# Allegro board 8880F5-0824_updates.brd (continued)
## Nets (continued)
CSDPS225GS1: CSDPS225.D2
CSDPS225GS2: CSDPS225.A1
CSDPS225GS3: CSDPS225.D4
CSDPS225GS4: CSDPS225.A3
CSDPS225GS5: CSDPS225.D6
CSDPS225GS6: CSDPS225.A5
CSDPS225GS7: CSDPS225.D8
CSDPS225GS8: CSDPS225.A7
CSDPS225GS9: CSDPS225.D10
CSDPS225GS10: CSDPS225.A9
CSDPS225GS11: CSDPS225.D12
CSDPS225GS12: CSDPS225.A11
CSDPS225GS13: CSDPS225.D14
CSDPS225GS14: CSDPS225.A13
CSDPS225GS15: CSDPS225.D16
CSDPS225GS16: CSDPS225.A15
CSDPS225P1: CSDPS225.B1
CSDPS225P2: CSDPS225.C2
CSDPS225P3: CSDPS225.B3
CSDPS225P4: CSDPS225.C4
CSDPS225P5: CSDPS225.B5
CSDPS225P6: CSDPS225.C6
CSDPS225P7: CSDPS225.B7
CSDPS225P8: CSDPS225.C8
CSDPS225P9: CSDPS225.B9
CSDPS225P10: CSDPS225.C10
CSDPS225P11: CSDPS225.B11
CSDPS225P12: CSDPS225.C12
CSDPS225P13: CSDPS225.B13
CSDPS225P14: CSDPS225.C14
CSDPS225P15: CSDPS225.B15
CSDPS225P16: CSDPS225.C16
CSDPS225PS1: CSDPS225.D1
CSDPS225PS2: CSDPS225.A2
CSDPS225PS3: CSDPS225.D3
CSDPS225PS4: CSDPS225.A4
CSDPS225PS5: CSDPS225.D5
CSDPS225PS6: CSDPS225.A6
CSDPS225PS7: CSDPS225.D7
CSDPS225PS8: CSDPS225.A8
CSDPS225PS9: CSDPS225.D9
CSDPS225PS10: CSDPS225.A10
CSDPS225PS11: CSDPS225.D11
CSDPS225PS12: CSDPS225.A12
CSDPS225PS13: CSDPS225.D13
CSDPS225PS14: CSDPS225.A14
CSDPS225PS15: CSDPS225.D15
CSDPS225PS16: CSDPS225.A16
CSDPS229GS1: CSDPS229.D2
CSDPS229GS2: CSDPS229.A1
CSDPS229GS3: CSDPS229.D4
CSDPS229GS4: CSDPS229.A3
CSDPS229GS5: CSDPS229.D6
CSDPS229GS6: CSDPS229.A5
CSDPS229GS7: CSDPS229.D8
CSDPS229GS8: CSDPS229.A7
CSDPS229GS9: CSDPS229.D10
CSDPS229GS10: CSDPS229.A9
CSDPS229GS11: CSDPS229.D12
CSDPS229GS12: CSDPS229.A11
CSDPS229GS13: CSDPS229.D14
CSDPS229GS14: CSDPS229.A13
CSDPS229GS15: CSDPS229.D16
CSDPS229GS16: CSDPS229.A15
CSDPS229P1: CSDPS229.B1
CSDPS229P2: CSDPS229.C2
CSDPS229P3: CSDPS229.B3
CSDPS229P4: CSDPS229.C4
CSDPS229P5: CSDPS229.B5
CSDPS229P6: CSDPS229.C6
CSDPS229P7: CSDPS229.B7
CSDPS229P8: CSDPS229.C8
CSDPS229P9: CSDPS229.B9
CSDPS229P10: CSDPS229.C10
CSDPS229P11: CSDPS229.B11
CSDPS229P12: CSDPS229.C12
CSDPS229P13: CSDPS229.B13
CSDPS229P14: CSDPS229.C14
CSDPS229P15: CSDPS229.B15
CSDPS229P16: CSDPS229.C16
CSDPS229PS1: CSDPS229.D1
CSDPS229PS2: CSDPS229.A2
CSDPS229PS3: CSDPS229.D3
CSDPS229PS4: CSDPS229.A4
CSDPS229PS5: CSDPS229.D5
CSDPS229PS6: CSDPS229.A6
CSDPS229PS7: CSDPS229.D7
CSDPS229PS8: CSDPS229.A8
CSDPS229PS9: CSDPS229.D9
CSDPS229PS10: CSDPS229.A10
CSDPS229PS11: CSDPS229.D11
CSDPS229PS12: CSDPS229.A12
CSDPS229PS13: CSDPS229.D13
CSDPS229PS14: CSDPS229.A14
CSDPS229PS15: CSDPS229.D15
CSDPS229PS16: CSDPS229.A16
CSDPS425GS1: CSDPS425.D2
CSDPS425GS2: CSDPS425.A1
CSDPS425GS3: CSDPS425.D4
CSDPS425GS4: CSDPS425.A3
CSDPS425GS5: CSDPS425.D6
CSDPS425GS6: CSDPS425.A5
CSDPS425GS7: CSDPS425.D8
CSDPS425GS8: CSDPS425.A7
CSDPS425GS9: CSDPS425.D10
CSDPS425GS10: CSDPS425.A9
CSDPS425GS11: CSDPS425.D12
CSDPS425GS12: CSDPS425.A11
CSDPS425GS13: CSDPS425.D14
CSDPS425GS14: CSDPS425.A13
CSDPS425GS15: CSDPS425.D16
CSDPS425GS16: CSDPS425.A15
CSDPS425P1: CSDPS425.B1
CSDPS425P2: CSDPS425.C2
CSDPS425P3: CSDPS425.B3
CSDPS425P4: CSDPS425.C4
CSDPS425P5: CSDPS425.B5
CSDPS425P6: CSDPS425.C6
CSDPS425P7: CSDPS425.B7
CSDPS425P8: CSDPS425.C8
CSDPS425P9: CSDPS425.B9
CSDPS425P10: CSDPS425.C10
CSDPS425P11: CSDPS425.B11
CSDPS425P12: CSDPS425.C12
CSDPS425P13: CSDPS425.B13
CSDPS425P14: CSDPS425.C14
CSDPS425P15: CSDPS425.B15
CSDPS425P16: CSDPS425.C16
CSDPS425PS1: CSDPS425.D1
CSDPS425PS2: CSDPS425.A2
CSDPS425PS3: CSDPS425.D3
CSDPS425PS4: CSDPS425.A4
CSDPS425PS5: CSDPS425.D5
CSDPS425PS6: CSDPS425.A6
CSDPS425PS7: CSDPS425.D7
CSDPS425PS8: CSDPS425.A8
CSDPS425PS9: CSDPS425.D9
CSDPS425PS10: CSDPS425.A10
CSDPS425PS11: CSDPS425.D11
CSDPS425PS12: CSDPS425.A12
CSDPS425PS13: CSDPS425.D13
CSDPS425PS14: CSDPS425.A14
CSDPS425PS15: CSDPS425.D15
CSDPS425PS16: CSDPS425.A16
CSDPS429GS1: CSDPS429.D2
CSDPS429GS2: CSDPS429.A1
CSDPS429GS3: CSDPS429.D4
CSDPS429GS4: CSDPS429.A3
CSDPS429GS5: CSDPS429.D6
CSDPS429GS6: CSDPS429.A5
CSDPS429GS7: CSDPS429.D8
CSDPS429GS8: CSDPS429.A7
CSDPS429GS9: CSDPS429.D10
CSDPS429GS10: CSDPS429.A9
CSDPS429GS11: CSDPS429.D12
CSDPS429GS12: CSDPS429.A11
CSDPS429GS13: CSDPS429.D14
CSDPS429GS14: CSDPS429.A13
CSDPS429GS15: CSDPS429.D16
CSDPS429GS16: CSDPS429.A15
CSDPS429P1: CSDPS429.B1
CSDPS429P2: CSDPS429.C2
CSDPS429P3: CSDPS429.B3
CSDPS429P4: CSDPS429.C4
CSDPS429P5: CSDPS429.B5
CSDPS429P6: CSDPS429.C6
CSDPS429P7: CSDPS429.B7
CSDPS429P8: CSDPS429.C8
CSDPS429P9: CSDPS429.B9
CSDPS429P10: CSDPS429.C10
CSDPS429P11: CSDPS429.B11
CSDPS429P12: CSDPS429.C12
CSDPS429P13: CSDPS429.B13
CSDPS429P14: CSDPS429.C14
CSDPS429P15: CSDPS429.B15
CSDPS429P16: CSDPS429.C16
CSDPS429PS1: CSDPS429.D1
CSDPS429PS2: CSDPS429.A2
CSDPS429PS3: CSDPS429.D3
CSDPS429PS4: CSDPS429.A4
CSDPS429PS5: CSDPS429.D5
CSDPS429PS6: CSDPS429.A6
CSDPS429PS7: CSDPS429.D7
CSDPS429PS8: CSDPS429.A8
CSDPS429PS9: CSDPS429.D9
CSDPS429PS10: CSDPS429.A10
CSDPS429PS11: CSDPS429.D11
CSDPS429PS12: CSDPS429.A12
CSDPS429PS13: CSDPS429.D13
CSDPS429PS14: CSDPS429.A14
CSDPS429PS15: CSDPS429.D15
CSDPS429PS16: CSDPS429.A16
D231_MCB1_CT2: D231.17
D231_MCB1_E+: D231.16
D231_MCB1_E-: D231.15
D231_MCB1_EE+: D231.08
D231_MCB1_EE-: D231.07
D231_MCB1_F+: D231.14
D231_MCB1_F-: D231.13
D231_MCB1_FF+: D231.06
D231_MCB1_FF-: D231.05
D231_MCB1_G+: D231.12
D231_MCB1_G-: D231.11
D231_MCB1_GG+: D231.04
D231_MCB1_GG-: D231.03
D231_MCB1_H+: D231.10
D231_MCB1_H-: D231.09
D231_MCB1_HH+: D231.02
D231_MCB1_HH-: D231.01
D431_MCB1_A+: D431.16
D431_MCB1_A-: D431.15
D431_MCB1_AA+: D431.08
D431_MCB1_AA-: D431.07
D431_MCB1_B+: D431.14
D431_MCB1_B-: D431.13
D431_MCB1_BB+: D431.06
D431_MCB1_BB-: D431.05
D431_MCB1_C+: D431.12
D431_MCB1_C-: D431.11
D431_MCB1_CC+: D431.04
D431_MCB1_CC-: D431.03
D431_MCB1_CT1: D431.17
D431_MCB1_D+: D431.10
D431_MCB1_D-: D431.09
D431_MCB1_DD+: D431.02
D431_MCB1_DD-: D431.01
D10201: D102.01
D10202: D102.02 SITE4.142(DML5P) UNK4R100.1
D10203: D102.03
D10204: D102.04 SITE4.143(DML5N) UNK4R101.2
D10205: D102.05
D10206: D102.06 SITE4.140(DML4P) UNK4R63.1
D10207: D102.07
D10208: D102.08 SITE4.141(DML4N) UNK4R64.2
D10209: D102.09
D10210: D102.10 SITE4.85(AML4P) UNK4R17.1
D10211: D102.11
D10212: D102.12 SITE4.86(AML4N) UNK4R18.2
D10213: D102.13 SITE4.116(CML2P) UNK4R39.1
D10214: D102.14 SITE4.83(AML3P) UNK4R15.1
D10215: D102.15 SITE4.117(CML2N) UNK4R40.2
D10216: D102.16 SITE4.84(AML3N) UNK4R16.2
D10301: D103.01 SITE4.95(BMLCKP) UNK4R27.1
D10302: D103.02
D10303: D103.03 SITE4.96(BMLCKN) UNK4R28.2
D10304: D103.04
D10305: D103.05 SITE4.98(BML3P) UNK4R29.1
D10306: D103.06
D10307: D103.07 SITE4.99(BML3N) UNK4R30.2
D10308: D103.08
D10309: D103.09 SITE4.133(DML2P) UNK4R77.1
D10310: D103.10 SITE4.120(CMLCKP) UNK4R41.1
D10311: D103.11 SITE4.134(DML2N) UNK4R78.2
D10312: D103.12 SITE4.121(CMLCKN) UNK4R42.2
D10313: D103.13 SITE4.131(DML1P) UNK4R75.1
D10314: D103.14 SITE4.122(CML3P) UNK4R67.1
D10315: D103.15 SITE4.132(DML1N) UNK4R76.2
D10316: D103.16 SITE4.123(CML3N) UNK4R68.2
D10401: D104.01
D10402: D104.02
D10403: D104.03
D10404: D104.04
D10405: D104.05
D10406: D104.06
D10407: D104.07
D10408: D104.08
D10409: D104.09 SITE4.172(OLV2P) UNK4R105.2
D10410: D104.10 SITE4.12(ELVCKP) UNK4R54.2
D10411: D104.11 SITE4.171(OLV2N) UNK4R104.1
D10412: D104.12 SITE4.11(ELVCKN) UNK4R53.1
D10413: D104.13 SITE4.8(ELV1P) UNK4R46.2
D10414: D104.14 SITE4.10(ELV2P) UNK4R52.2
D10415: D104.15 SITE4.7(ELV1N) UNK4R45.1
D10416: D104.16 SITE4.9(ELV2N) UNK4R51.1
D10601: D106.01 SITE4.81(AMLCKP) UNK4R13.1
D10602: D106.02 SITE4.137(DML3P) UNK4R43.1
D10603: D106.03 SITE4.82(AMLCKN) UNK4R14.2
D10604: D106.04 SITE4.138(DML3N) UNK4R44.2
D10605: D106.05 SITE4.114(CML1P) UNK4R37.1
D10606: D106.06 SITE4.135(DMLCKP) UNK4R79.1
D10607: D106.07 SITE4.115(CML1N) UNK4R38.2
D10608: D106.08 SITE4.136(DMLCKN) UNK4R80.2
D10609: D106.09 SITE4.126(CML5P) UNK4R71.1
D10610: D106.10 SITE4.129(DML0P) UNK4R73.1
D10611: D106.11 SITE4.127(CML5N) UNK4R72.2
D10612: D106.12 SITE4.130(DML0N) UNK4R74.2
D10613: D106.13 SITE4.87(AML5P) UNK4R19.1
D10614: D106.14 SITE4.93(BML2P) UNK4R25.1
D10615: D106.15 SITE4.88(AML5N) UNK4R20.2
D10616: D106.16 SITE4.94(BML2N) UNK4R26.2
D10701: D107.01 SITE4.89(BML0P) UNK4R21.1
D10702: D107.02 SITE4.124(CML4P) UNK4R69.1
D10703: D107.03 SITE4.90(BML0N) UNK4R22.2
D10704: D107.04 SITE4.125(CML4N) UNK4R70.2
D10705: D107.05 SITE4.100(BML4P) UNK4R31.1
D10706: D107.06 SITE4.79(AML2P) UNK4R11.1
D10707: D107.07 SITE4.101(BML4N) UNK4R32.2
D10708: D107.08 SITE4.80(AML2N) UNK4R12.2
D10709: D107.09 SITE4.102(BML5P) UNK4R33.1
D10710: D107.10 SITE4.75(AML1P) UNK4R9.1
D10711: D107.11 SITE4.103(BML5N) UNK4R34.2
D10712: D107.12 SITE4.76(AML1N) UNK4R10.2
D10713: D107.13 SITE4.91(BML1P) UNK4R23.1
D10714: D107.14 UNK4K43.6 UNK4R7.1
D10715: D107.15 SITE4.92(BML1N) UNK4R24.2
D10716: D107.16 UNK4K43.3 UNK4R8.2
D10801: D108.01 SITE4.5(ELV0N) UNK4R102.1
D10802: D108.02 SITE4.16(ELV4P) UNK4R50.2
D10803: D108.03 SITE4.6(ELV0P) UNK4R103.2
D10804: D108.04 SITE4.15(ELV4N) UNK4R49.1
D10805: D108.05 SITE4.175(OLV3N) UNK4R65.1
D10806: D108.06 SITE4.170(OLV1P) UNK4R58.2
D10807: D108.07 SITE4.176(OLV3P) UNK4R66.2
D10808: D108.08 SITE4.169(OLV1N) UNK4R57.1
D10809: D108.09 SITE4.2(OLV4P) UNK4R60.2
D10810: D108.10 SITE4.168(OLV0P) UNK4R56.2
D10811: D108.11 SITE4.1(OLV4N) UNK4R59.1
D10812: D108.12 SITE4.167(OLV0N) UNK4R55.1
D10813: D108.13 SITE4.174(OLVCKP) UNK4R62.2
D10814: D108.14 SITE4.14(ELV3P) UNK4R48.2
D10815: D108.15 SITE4.173(OLVCKN) UNK4R61.1
D10816: D108.16 SITE4.13(ELV3N) UNK4R47.1
D10901: D109.01 SITE2.176(OLV3P) UNK2R66.2
D10902: D109.02 SITE2.168(OLV0P) UNK2R56.2
D10903: D109.03 SITE2.175(OLV3N) UNK2R65.1
D10904: D109.04 SITE2.167(OLV0N) UNK2R55.1
D10905: D109.05 SITE2.174(OLVCKP) UNK2R62.2
D10906: D109.06 SITE2.170(OLV1P) UNK2R58.2
D10907: D109.07 SITE2.173(OLVCKN) UNK2R61.1
D10908: D109.08 SITE2.169(OLV1N) UNK2R57.1
D10909: D109.09 SITE2.14(ELV3P) UNK2R48.2
D10910: D109.10 SITE2.2(OLV4P) UNK2R60.2
D10911: D109.11 SITE2.13(ELV3N) UNK2R47.1
D10912: D109.12 SITE2.1(OLV4N) UNK2R59.1
D10913: D109.13 SITE2.10(ELV2P) UNK2R52.2
D10914: D109.14 SITE2.12(ELVCKP) UNK2R54.2
D10915: D109.15 SITE2.9(ELV2N) UNK2R51.1
D10916: D109.16 SITE2.11(ELVCKN) UNK2R53.1
D11001: D110.01 SITE2.85(AML4P) UNK2R17.1
D11002: D110.02 SITE2.93(BML2P) UNK2R25.1
D11003: D110.03 SITE2.86(AML4N) UNK2R18.2
D11004: D110.04 SITE2.94(BML2N) UNK2R26.2
D11005: D110.05 SITE2.83(AML3P) UNK2R15.1
D11006: D110.06 SITE2.91(BML1P) UNK2R23.1
D11007: D110.07 SITE2.84(AML3N) UNK2R16.2
D11008: D110.08 SITE2.92(BML1N) UNK2R24.2
D11009: D110.09 SITE2.98(BML3P) UNK2R29.1
D11010: D110.10 SITE2.95(BMLCKP) UNK2R27.1
D11011: D110.11 SITE2.99(BML3N) UNK2R30.2
D11012: D110.12 SITE2.96(BMLCKN) UNK2R28.2
D11013: D110.13 SITE2.133(DML2P) UNK2R77.1
D11014: D110.14 SITE2.131(DML1P) UNK2R75.1
D11015: D110.15 SITE2.134(DML2N) UNK2R78.2
D11016: D110.16 SITE2.132(DML1N) UNK2R76.2
D11101: D111.01 SITE2.75(AML1P) UNK2R9.1
D11102: D111.02 UNK2K43.6 UNK2R7.1
D11103: D111.03 SITE2.76(AML1N) UNK2R10.2
D11104: D111.04 UNK2K43.3 UNK2R8.2
D11105: D111.05 SITE2.79(AML2P) UNK2R11.1
D11106: D111.06 SITE2.116(CML2P) UNK2R39.1
D11107: D111.07 SITE2.80(AML2N) UNK2R12.2
D11108: D111.08 SITE2.117(CML2N) UNK2R40.2
D11109: D111.09 SITE2.100(BML4P) UNK2R31.1
D11110: D111.10
D11111: D111.11 SITE2.101(BML4N) UNK2R32.2
D11112: D111.12
D11113: D111.13 SITE2.102(BML5P) UNK2R33.1
D11114: D111.14
D11115: D111.15 SITE2.103(BML5N) UNK2R34.2
D11116: D111.16
D11201: D112.01 SITE2.140(DML4P) UNK2R63.1
D11202: D112.02 SITE2.120(CMLCKP) UNK2R41.1
D11203: D112.03 SITE2.141(DML4N) UNK2R64.2
D11204: D112.04 SITE2.121(CMLCKN) UNK2R42.2
D11205: D112.05 SITE2.142(DML5P) UNK2R100.1
D11206: D112.06 SITE2.81(AMLCKP) UNK2R13.1
D11207: D112.07 SITE2.143(DML5N) UNK2R101.2
D11208: D112.08 SITE2.82(AMLCKN) UNK2R14.2
D11209: D112.09 SITE2.122(CML3P) UNK2R67.1
D11210: D112.10 SITE2.114(CML1P) UNK2R37.1
D11211: D112.11 SITE2.123(CML3N) UNK2R68.2
D11212: D112.12 SITE2.115(CML1N) UNK2R38.2
D11213: D112.13 SITE2.135(DMLCKP) UNK2R79.1
D11214: D112.14 SITE2.137(DML3P) UNK2R43.1
D11215: D112.15 SITE2.136(DMLCKN) UNK2R80.2
D11216: D112.16 SITE2.138(DML3N) UNK2R44.2
D11301: D113.01 SITE2.172(OLV2P) UNK2R105.2
D11302: D113.02 SITE2.8(ELV1P) UNK2R46.2
D11303: D113.03 SITE2.171(OLV2N) UNK2R104.1
D11304: D113.04 SITE2.7(ELV1N) UNK2R45.1
D11305: D113.05 SITE2.16(ELV4P) UNK2R50.2
D11306: D113.06 SITE2.6(ELV0P) UNK2R103.2
D11307: D113.07 SITE2.15(ELV4N) UNK2R49.1
D11308: D113.08 SITE2.5(ELV0N) UNK2R102.1
D11309: D113.09
D11310: D113.10
D11311: D113.11
D11312: D113.12
D11313: D113.13
D11314: D113.14
D11315: D113.15
D11316: D113.16
D11401: D114.01
D11402: D114.02 SITE2.87(AML5P) UNK2R19.1
D11403: D114.03 SITE2.129(DML0P) UNK2R73.1
D11404: D114.04 SITE2.88(AML5N) UNK2R20.2
D11405: D114.05 SITE2.130(DML0N) UNK2R74.2
D11406: D114.06 SITE2.124(CML4P) UNK2R69.1
D11407: D114.07 SITE2.126(CML5P) UNK2R71.1
D11408: D114.08 SITE2.125(CML4N) UNK2R70.2
D11409: D114.09 SITE2.127(CML5N) UNK2R72.2
D11410: D114.10
D11411: D114.11 SITE2.89(BML0P) UNK2R21.1
D11412: D114.12
D11413: D114.13 SITE2.90(BML0N) UNK2R22.2
D11414: D114.14
D11415: D114.15
D11416: D114.16
D11501: D115.01
D11502: D115.02
D11503: D115.03
D11504: D115.04
D11505: D115.05
D11506: D115.06
D11507: D115.07
D11508: D115.08
D11509: D115.09
D11510: D115.10
D11511: D115.11
D11512: D115.12
D11513: D115.13
D11514: D115.14
D11515: D115.15
D11516: D115.16
D11601: D116.01
D11602: D116.02
D11603: D116.03
D11604: D116.04
D11605: D116.05
D11606: D116.06
D11607: D116.07
D11608: D116.08
D11609: D116.09
D11610: D116.10
D11611: D116.11
D11612: D116.12
D11613: D116.13
D11614: D116.14
D11615: D116.15
D11616: D116.16
D11801: D118.01
D11802: D118.02
D11803: D118.03
D11804: D118.04
D11805: D118.05
D11806: D118.06
D11807: D118.07
D11808: D118.08
D11809: D118.09
D11810: D118.10
D11811: D118.11
D11812: D118.12
D11813: D118.13
D11814: D118.14
D11815: D118.15
D11816: D118.16
D11901: D119.01 SITE3.116(CML2P) UNK3R39.1
D11902: D119.02 SITE3.126(CML5P) UNK3R71.1
D11903: D119.03 SITE3.117(CML2N) UNK3R40.2
D11904: D119.04 SITE3.127(CML5N) UNK3R72.2
D11905: D119.05 SITE3.120(CMLCKP) UNK3R41.1
D11906: D119.06 SITE3.114(CML1P) UNK3R37.1
D11907: D119.07 SITE3.121(CMLCKN) UNK3R42.2
D11908: D119.08 SITE3.115(CML1N) UNK3R38.2
D11909: D119.09 SITE3.81(AMLCKP) UNK3R13.1
D11910: D119.10 SITE3.87(AML5P) UNK3R19.1
D11911: D119.11 SITE3.82(AMLCKN) UNK3R14.2
D11912: D119.12 SITE3.88(AML5N) UNK3R20.2
D11913: D119.13 SITE3.122(CML3P) UNK3R67.1
D11914: D119.14 SITE3.125(CML4N) UNK3R70.2
D11915: D119.15 SITE3.123(CML3N) UNK3R68.2
D11916: D119.16 SITE3.124(CML4P) UNK3R69.1
D12001: D120.01 SITE3.89(BML0P) UNK3R21.1
D12002: D120.02 SITE3.137(DML3P) UNK3R43.1
D12003: D120.03 SITE3.90(BML0N) UNK3R22.2
D12004: D120.04 SITE3.138(DML3N) UNK3R44.2
D12005: D120.05 SITE3.129(DML0P) UNK3R73.1
D12006: D120.06 SITE3.142(DML5P) UNK3R100.1
D12007: D120.07 SITE3.130(DML0N) UNK3R74.2
D12008: D120.08 SITE3.143(DML5N) UNK3R101.2
D12009: D120.09 SITE3.140(DML4P) UNK3R63.1
D12010: D120.10 SITE3.93(BML2P) UNK3R25.1
D12011: D120.11 SITE3.141(DML4N) UNK3R64.2
D12012: D120.12 SITE3.94(BML2N) UNK3R26.2
D12013: D120.13 SITE3.135(DMLCKP) UNK3R79.1
D12014: D120.14 SITE3.102(BML5P) UNK3R33.1
D12015: D120.15 SITE3.136(DMLCKN) UNK3R80.2
D12016: D120.16 SITE3.103(BML5N) UNK3R34.2
D12201: D122.01
D12202: D122.02
D12203: D122.03
D12204: D122.04
D12205: D122.05
D12206: D122.06
D12207: D122.07
D12208: D122.08
D12209: D122.09
D12210: D122.10
D12211: D122.11
D12212: D122.12
D12213: D122.13
D12214: D122.14
D12215: D122.15
D12216: D122.16
D12301: D123.01 SITE3.95(BMLCKP) UNK3R27.1
D12302: D123.02 SITE3.131(DML1P) UNK3R75.1
D12303: D123.03 SITE3.96(BMLCKN) UNK3R28.2
D12304: D123.04 SITE3.132(DML1N) UNK3R76.2
D12305: D123.05 SITE3.85(AML4P) UNK3R17.1
D12306: D123.06 SITE3.83(AML3P) UNK3R15.1
D12307: D123.07 SITE3.86(AML4N) UNK3R18.2
D12308: D123.08 SITE3.84(AML3N) UNK3R16.2
D12309: D123.09 SITE3.79(AML2P) UNK3R11.1
D12310: D123.10
D12311: D123.11 SITE3.80(AML2N) UNK3R12.2
D12312: D123.12
D12313: D123.13 UNK3K43.6 UNK3R7.1
D12314: D123.14 SITE3.75(AML1P) UNK3R9.1
D12315: D123.15 UNK3K43.3 UNK3R8.2
D12316: D123.16 SITE3.76(AML1N) UNK3R10.2
D12401: D124.01 SITE3.100(BML4P) UNK3R31.1
D12402: D124.02 SITE3.133(DML2P) UNK3R77.1
D12403: D124.03 SITE3.101(BML4N) UNK3R32.2
D12404: D124.04 SITE3.134(DML2N) UNK3R78.2
D12405: D124.05 SITE3.91(BML1P) UNK3R23.1
D12406: D124.06 SITE3.98(BML3P) UNK3R29.1
D12407: D124.07 SITE3.92(BML1N) UNK3R24.2
D12408: D124.08 SITE3.99(BML3N) UNK3R30.2
D12409: D124.09
D12410: D124.10
D12411: D124.11
D12412: D124.12
D12413: D124.13
D12414: D124.14
D12415: D124.15
D12416: D124.16
D12501: D125.01 R58.2 SITE1.170(OLV1P)
D12502: D125.02 R103.2 SITE1.6(ELV0P)
D12503: D125.03 R57.1 SITE1.169(OLV1N)
D12504: D125.04 R102.1 SITE1.5(ELV0N)
D12505: D125.05 R56.2 SITE1.168(OLV0P)
D12506: D125.06 R46.2 SITE1.8(ELV1P)
D12507: D125.07 R55.1 SITE1.167(OLV0N)
D12508: D125.08 R45.1 SITE1.7(ELV1N)
D12509: D125.09 R60.2 SITE1.2(OLV4P)
D12510: D125.10 R62.2 SITE1.174(OLVCKP)
D12511: D125.11 R59.1 SITE1.1(OLV4N)
D12512: D125.12 R61.1 SITE1.173(OLVCKN)
D12513: D125.13 R105.2 SITE1.172(OLV2P)
D12514: D125.14 R66.2 SITE1.176(OLV3P)
D12515: D125.15 R104.1 SITE1.171(OLV2N)
D12516: D125.16 R65.1 SITE1.175(OLV3N)
D12601: D126.01
D12602: D126.02
D12603: D126.03
D12604: D126.04
D12605: D126.05
D12606: D126.06
D12607: D126.07
D12608: D126.08
D12609: D126.09 R50.2 SITE1.16(ELV4P)
D12610: D126.10 R48.2 SITE1.14(ELV3P)
D12611: D126.11 R49.1 SITE1.15(ELV4N)
D12612: D126.12 R47.1 SITE1.13(ELV3N)
D12613: D126.13 R52.2 SITE1.10(ELV2P)
D12614: D126.14 R54.2 SITE1.12(ELVCKP)
D12615: D126.15 R51.1 SITE1.9(ELV2N)
D12616: D126.16 R53.1 SITE1.11(ELVCKN)
D12701: D127.01 R33.1 SITE1.102(BML5P)
D12702: D127.02 R21.1 SITE1.89(BML0P)
D12703: D127.03 R34.2 SITE1.103(BML5N)
D12704: D127.04 R22.2 SITE1.90(BML0N)
D12705: D127.05 R29.1 SITE1.98(BML3P)
D12706: D127.06 R17.1 SITE1.85(AML4P)
D12707: D127.07 R30.2 SITE1.99(BML3N)
D12708: D127.08 R18.2 SITE1.86(AML4N)
D12709: D127.09 R15.1 SITE1.83(AML3P)
D12710: D127.10 R41.1 SITE1.120(CMLCKP)
D12711: D127.11 R16.2 SITE1.84(AML3N)
D12712: D127.12 R42.2 SITE1.121(CMLCKN)
D12713: D127.13 R19.1 SITE1.87(AML5P)
D12714: D127.14 R75.1 SITE1.131(DML1P)
D12715: D127.15 R20.2 SITE1.88(AML5N)
D12716: D127.16 R76.2 SITE1.132(DML1N)
D12801: D128.01 R31.1 SITE1.100(BML4P)
D12802: D128.02 R69.1 SITE1.124(CML4P)
D12803: D128.03 R32.2 SITE1.101(BML4N)
D12804: D128.04 R70.2 SITE1.125(CML4N)
D12805: D128.05 R27.1 SITE1.95(BMLCKP)
D12806: D128.06 R71.1 SITE1.126(CML5P)
D12807: D128.07 R28.2 SITE1.96(BMLCKN)
D12808: D128.08 R72.2 SITE1.127(CML5N)
D12809: D128.09 R23.1 SITE1.91(BML1P)
D12810: D128.10 R77.1 SITE1.133(DML2P)
D12811: D128.11 R24.2 SITE1.92(BML1N)
D12812: D128.12 R78.2 SITE1.134(DML2N)
D12813: D128.13 R25.1 SITE1.93(BML2P)
D12814: D128.14 R67.1 SITE1.122(CML3P)
D12815: D128.15 R26.2 SITE1.94(BML2N)
D12816: D128.16 R68.2 SITE1.123(CML3N)
D12901: D129.01 SITE3.175(OLV3N) UNK3R65.1
D12902: D129.02 SITE3.170(OLV1P) UNK3R58.2
D12903: D129.03 SITE3.176(OLV3P) UNK3R66.2
D12904: D129.04 SITE3.169(OLV1N) UNK3R57.1
D12905: D129.05 SITE3.172(OLV2P) UNK3R105.2
D12906: D129.06 SITE3.174(OLVCKP) UNK3R62.2
